# Altium PCB pcb_AGV_Control.PcbDoc (part 1 of 2) (continued)
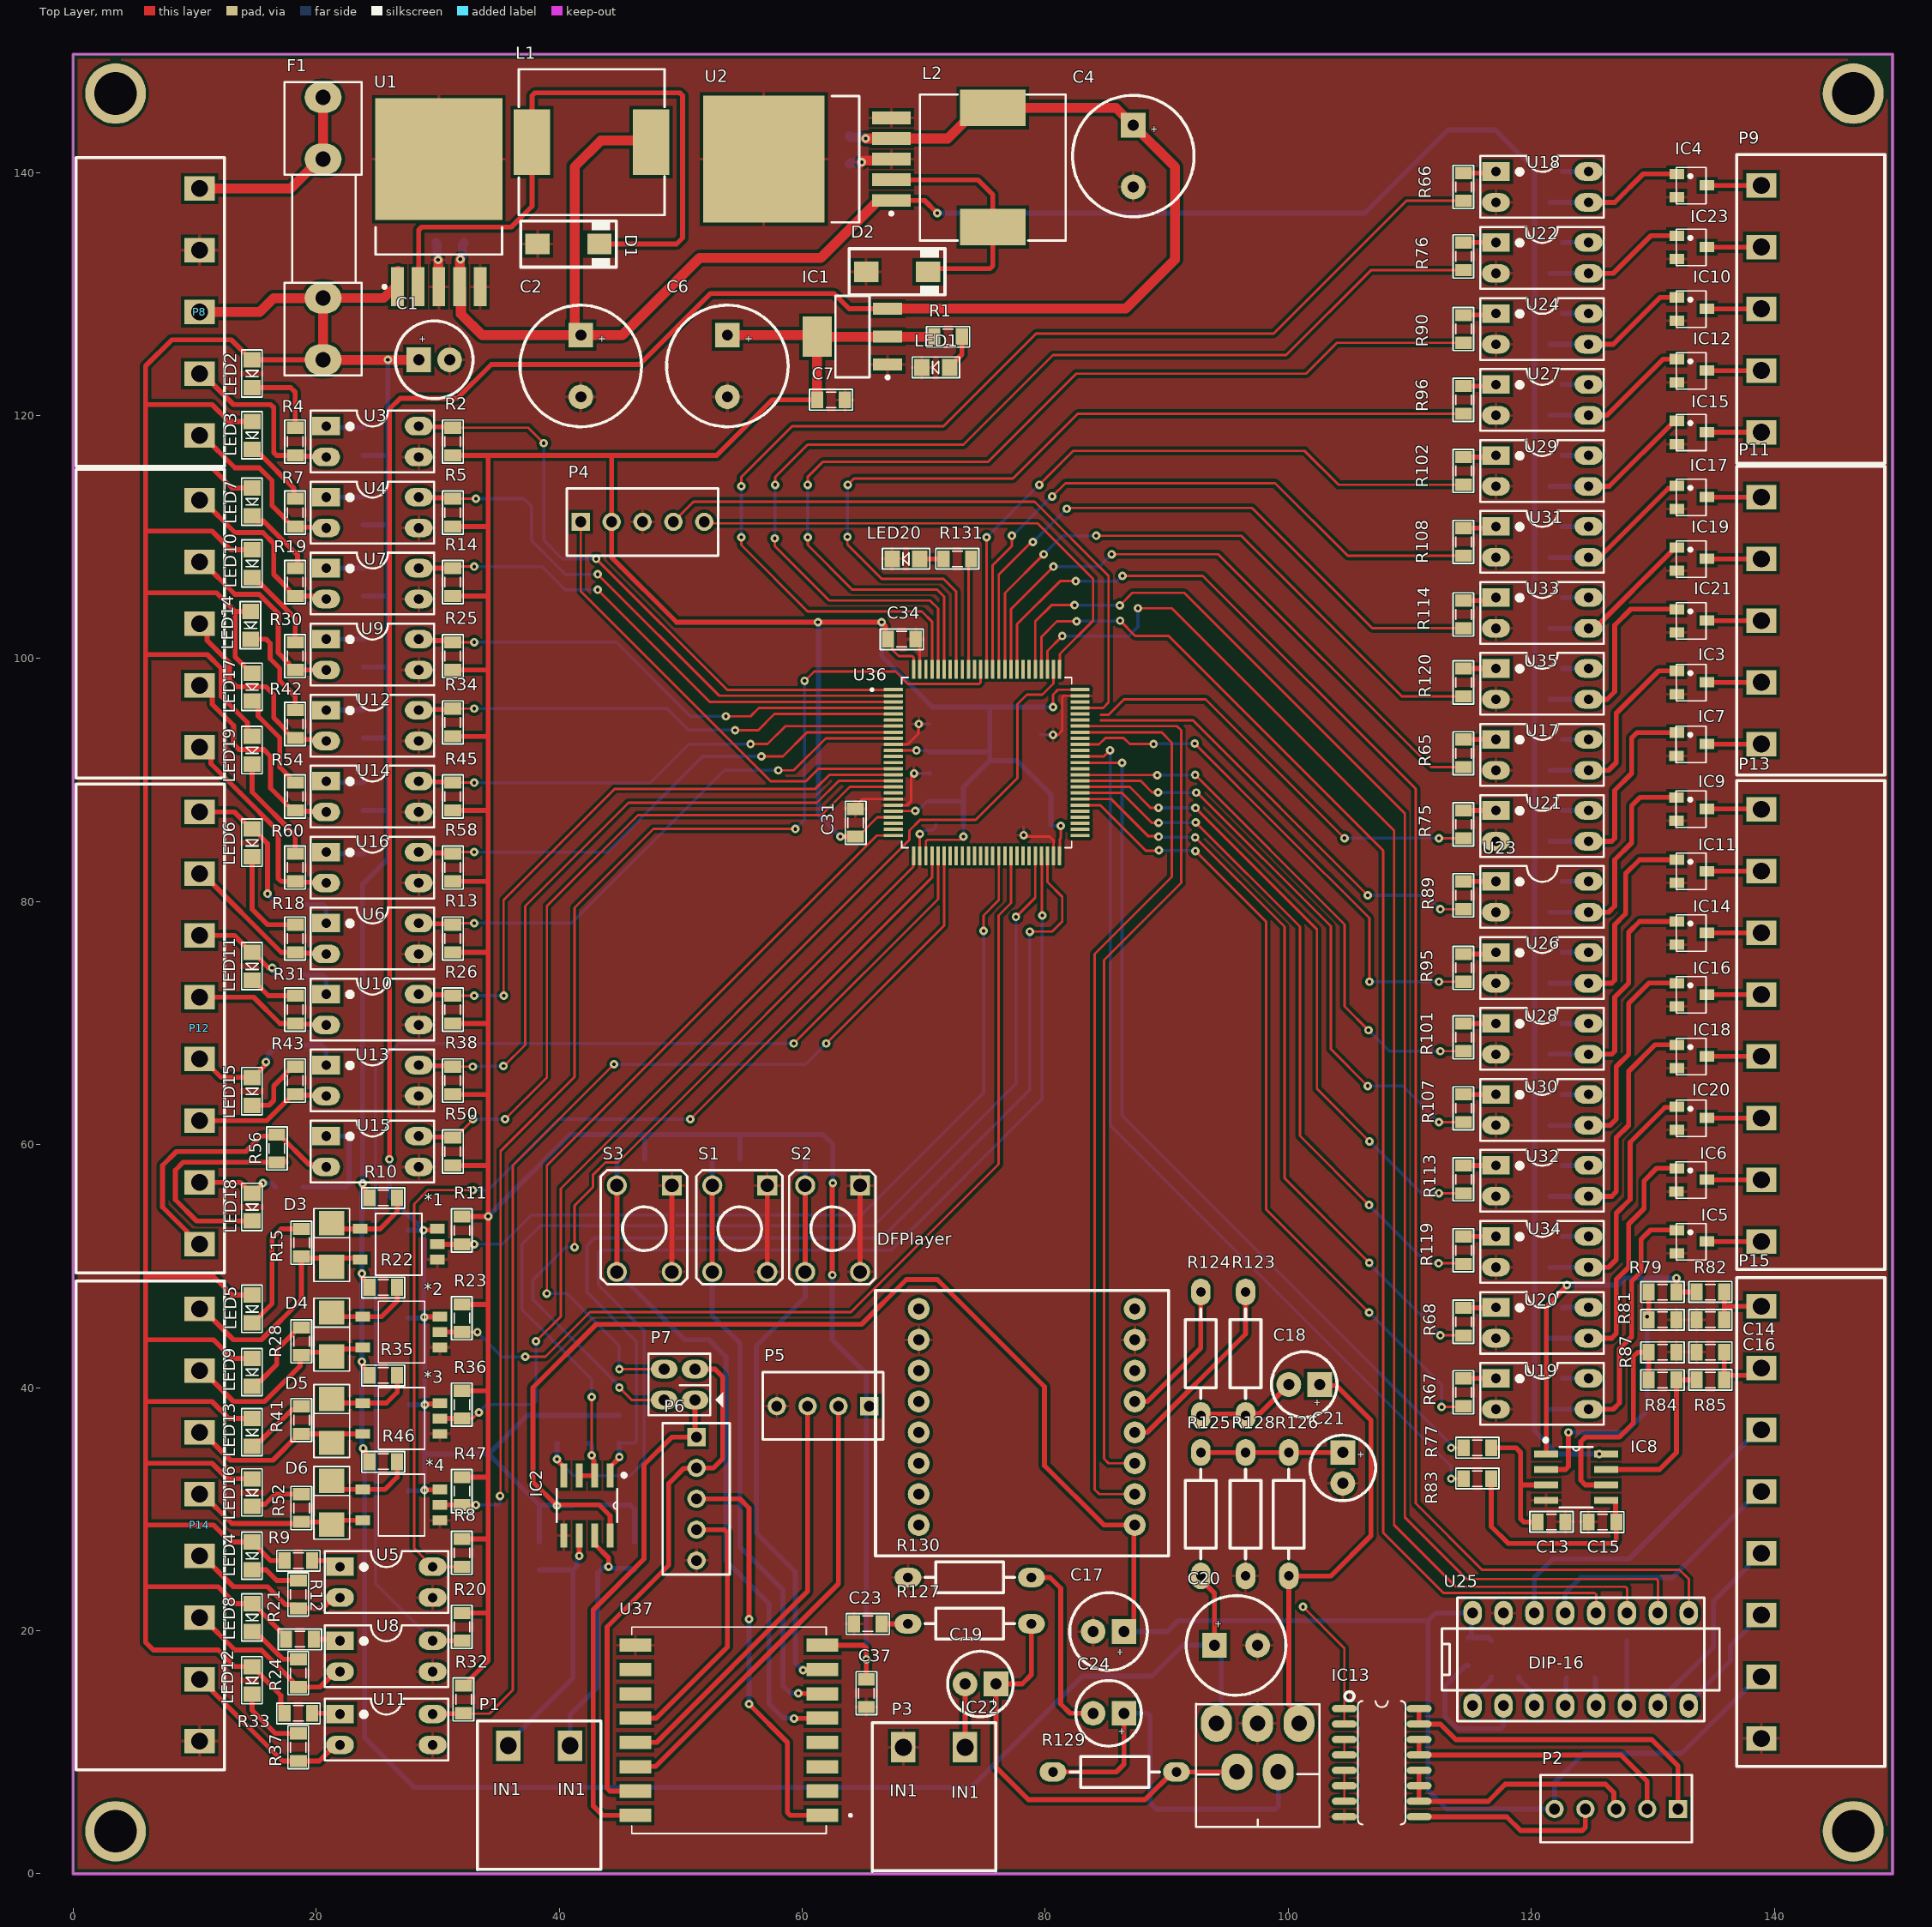
[diagram p0: Top Layer view]
## Components (designator, comment, footprint, x,y, rotation, side; value= is the part's Value field where it differs from the comment) (continued)
U6 "PC817" DIP4/W0.3 20.828,78.232 r270 top
U7 "PC817" DIP4/W0.3 20.828,107.442 r270 top
U8 "PC817" DIP4/W0.3 21.971,19.177 r270 top
U9 "PC817" DIP4/W0.3 20.828,101.6 r270 top
U10 "PC817" DIP4/W0.3 20.828,72.39 r270 top
U11 "PC817" DIP4/W0.3 21.971,13.144 r270 top
U12 "PC817" DIP4/W0.3 20.828,95.758 r270 top
U13 "PC817" DIP4/W0.3 20.828,66.548 r270 top
U14 "PC817" DIP4/W0.3 20.828,89.916 r270 top
U15 "PC817" DIP4/W0.3 20.828,60.706 r270 top
U16 "PC817" DIP4/W0.3 20.828,84.074 r270 top
U17 "PC817" DIP4/W0.3 117.094,93.345 r270 top
U18 "PC817" DIP4/W0.3 117.094,140.081 r270 top
U19 "PC817" DIP4/W0.3 117.094,40.767 r270 top
U20 "PC817" DIP4/W0.3 117.094,46.609 r270 top
U21 "PC817" DIP4/W0.3 117.094,87.503 r270 top
U22 "PC817" DIP4/W0.3 117.094,134.239 r270 top
U23 "PC817" DIP4/W0.3 117.094,81.661 r270 top
U24 "PC817" DIP4/W0.3 117.094,128.397 r270 top
U25 "MAX232ACPE" DIP.100/16/W.300/L.900 124.079,17.653 r0 top
U26 "PC817" DIP4/W0.3 117.094,75.819 r270 top
U27 "PC817" DIP4/W0.3 117.094,122.555 r270 top
U28 "PC817" DIP4/W0.3 117.094,69.977 r270 top
U29 "PC817" DIP4/W0.3 117.094,116.713 r270 top
U30 "PC817" DIP4/W0.3 117.094,64.135 r270 top
U31 "PC817" DIP4/W0.3 117.094,110.871 r270 top
U32 "PC817" DIP4/W0.3 117.094,58.293 r270 top
U33 "PC817" DIP4/W0.3 117.094,105.029 r270 top
U34 "PC817" DIP4/W0.3 117.094,52.451 r270 top
U35 "PC817" DIP4/W0.3 117.094,99.187 r270 top
U36 "STM32F103VET6" QFP50P1600X1600X160-100N 75.184,91.44 r0 top
U37 "ESP-07S" XCVR_ESP-07S 53.975,11.811 r180 top

## Footprints (in the part's own frame and the unit in brackets; to place one, negate y for a bottom-side part, rotate by r counter-clockwise, add the part's x,y. Pads: shape width x height; smd on the part's side, far side on the other; paste and mask are expansions set on the pad)
"BIG_Header 2" [mm]
  rect 2x2.5 hole 1.4: 1(0,0) 2(5.08,0)
  silkscreen extent -2.54,-2.03 7.62,10.21, body extent -2.5,-1.75 7.58,10.25, height 3.15
"BIG_Header 5" [mm]
  rect 2x2.5 hole 1.4: 1(0,0) 2(5.08,0) 3(10.16,0) 4(15.24,0) 5(20.32,0)
  silkscreen extent -2.54,-2.03 22.86,10.16, body extent -2.5,-1.75 22.82,10.25, height 3.15
"BIG_Header 8" [mm]
  rect 2x2.5 hole 1.4: 1(0,0) 2(5.08,0) 3(10.16,0) 4(15.24,0) 5(20.32,0) 6(25.4,0) 7(30.48,0) 8(35.56,0)
  silkscreen extent -2.36,-2.03 37.85,10.16, body extent -2.5,-1.75 38.06,10.25, height 3.15
"BUTTON 4 PIN" [mil] "BUTTON SMORE 280mil x 178mil"
  rect 65x65 hole 43.31: 1(-140,89)
  round 65 hole 43.31: 1(140,89) 2(-140,-89) 2(140,-89)
  silkscreen extent -190,-141 180,139, body extent -159,-124 153,120, height 276
CAP_0805 [mil]
  rect 39.37x55 smd: 1(-45,0) 2(45,0)
  silkscreen extent -70,-34 70,33, body extent -40,-25 40,25, height 24
CAP_D5 [mil]
  rect 80x80 hole 36: 1(0,0)
  round 80 hole 36: 2(100,0)
  silkscreen extent -56,-106 156,106, body extent -58,-108 158,108, height 541
CAP_D6.3 [mil]
  rect 80x80 hole 36: 1(0,0)
  round 80 hole 36: 2(100,0)
  silkscreen extent -76,-126 176,126, body extent -84,-134 184,134, height 492
CAP_D8 [mil]
  rect 80x80 hole 36: 1(0,0)
  round 80 hole 36: 2(140,0)
  silkscreen extent -91,-161 231,161, body extent -97,-167 237,167, height 512
CAP_D10 [mil]
  rect 80x80 hole 36: 1(0,0)
  round 80 hole 36: 2(200,0)
  silkscreen extent -97,-197 297,197, body extent -107,-207 307,207, height 551
DFPlayer [mm] "DFPlayer"
  round 1.8 hole 0.9: 1(-8.636,8.89) 2(-8.636,6.35) 3(-8.636,3.81) 4(-8.636,1.27) 5(-8.636,-1.27) 6(-8.636,-3.81) 7(-8.636,-6.35) 8(-8.636,-8.89) 9(9.144,-8.89) 10(9.144,-6.35) 11(9.144,-3.81) 12(9.144,-1.27) 13(9.144,1.27) 14(9.144,3.81) 15(9.144,6.35) 16(9.144,8.89)
  silkscreen extent -11.43,-10.41 12.7,11.43, body extent -10.15,-13.06 10.65,10.4, height 6
DIO-214AC(SMA) [mm] "DO-214AC Diode Smallest Size"
  rect 2x2.1 smd: 1(1.88,-0.051) 2(-1.732,-0.051)
  silkscreen extent -2.92,-1.52 3.07,1.42, body extent -2.5,-1.35 2.7,1.25, height 2.4
DIP4/W0.3 [mil] "4 PIN, W 300mil, Pin to pin 100mil"
  rect 60x90 hole 31: 1(0,0)
  oval 60x90 hole 31: 2(100,0) 3(100,300) 4(0,300)
  silkscreen extent -50,-50 150,350, body extent -59,-10 159,305, height 170
DIP5SL1 [mm]
  oval 2.54x3.048 hole 1.27: 1(-3.4,-2) 2(-1.7,2) 3(0,-2) 4(1.7,2) 5(3.4,-2)
  silkscreen extent -5.08,-3.61 5.08,6.53, body extent -20.77,-2.29 21.03,25.41, height 35.78
DIP.100/16/W.300/L.900 [mm] "MAX232"
  oval 1.5x2 hole 0.864: 1(-8.897,-3.812) 2(-6.357,-3.812) 3(-3.817,-3.812) 4(-1.277,-3.812) 5(1.263,-3.812) 6(3.803,-3.812) 7(6.343,-3.812) 8(8.883,-3.812) 9(8.883,3.808) 10(6.343,3.808) 11(3.803,3.808) 12(1.263,3.808) 13(-1.277,3.808) 14(-3.817,3.808) 15(-6.357,3.808) 16(-8.897,3.808)
  silkscreen extent -11.44,-5.08 11.42,5.08, body extent -10,-3.93 10,3.94, height 2.49
FUSE [mil] "De Fuse"
  oval 100x120 hole 50: 1(-425,0) 1(-225,0) 2(225,0) 2(425,0)
  silkscreen extent -475,-125 475,125, body extent -448,-117 459,127, height 378
HDR4 [mm] "Connector; Header; 4 Position"
  rect 1.5x1.5 hole 0.9: 1(0,0)
  round 1.5 hole 0.9: 2(2.54,0) 3(5.08,0) 4(7.62,0)
  silkscreen extent -1.14,-2.79 8.76,2.74, body extent -1.27,-2.92 8.89,2.88, height 11.72
HDR5 [mm] "Connector; Header; 5 Position"
  rect 1.5x1.5 hole 0.9: 1(0,0)
  round 1.5 hole 0.9: 2(2.54,0) 3(5.08,0) 4(7.62,0) 5(10.16,0)
  silkscreen extent -1.14,-2.79 11.3,2.74, body extent -1.27,-2.92 11.43,2.88, height 11.72
JP2X2 [mil]
  oval 60x86 hole 36: 1(0,0) 2(100,0) 3(100,100) 4(0,100)
  silkscreen extent -50,-91 150,150, body extent -50,-50 150,150, height 335
L-SMD-M-12x10 [mm] "150uH"
  rect 5.4x3 smd: 1(0,4.9) 2(0,-4.9)
  silkscreen extent -6,-6 6,6, body extent -6,-6 6,6, height 9.7
LED_BLUE_SMD_0805 [mil]
  rect 50x55 smd: 1(-45,0) 2(45,0)
  silkscreen extent -77,-34 76,33, body extent -41,-27 41,27, height 32
QFP50P1600X1600X160-100N [mm]
  rrect25% 1.56x0.28 smd: 1(-7.68,6) 2(-7.68,5.5) 3(-7.68,5) 4(-7.68,4.5) 5(-7.68,4) 6(-7.68,3.5) 7(-7.68,3) 8(-7.68,2.5) 9(-7.68,2) 10(-7.68,1.5) 11(-7.68,1) 12(-7.68,0.5) 13(-7.68,0) 14(-7.68,-0.5) 15(-7.68,-1) 16(-7.68,-1.5) 17(-7.68,-2) 18(-7.68,-2.5) 19(-7.68,-3) 20(-7.68,-3.5) 21(-7.68,-4) 22(-7.68,-4.5) 23(-7.68,-5) 24(-7.68,-5.5) 25(-7.68,-6) 51(7.68,-6) 52(7.68,-5.5) 53(7.68,-5) 54(7.68,-4.5) 55(7.68,-4) 56(7.68,-3.5) 57(7.68,-3) 58(7.68,-2.5) 59(7.68,-2) 60(7.68,-1.5) 61(7.68,-1) 62(7.68,-0.5) 63(7.68,0) 64(7.68,0.5) 65(7.68,1) 66(7.68,1.5) 67(7.68,2) 68(7.68,2.5) 69(7.68,3) 70(7.68,3.5) 71(7.68,4) 72(7.68,4.5) 73(7.68,5) 74(7.68,5.5) 75(7.68,6)
  rrect25% 0.28x1.56 smd: 26(-6,-7.68) 27(-5.5,-7.68) 28(-5,-7.68) 29(-4.5,-7.68) 30(-4,-7.68) 31(-3.5,-7.68) 32(-3,-7.68) 33(-2.5,-7.68) 34(-2,-7.68) 35(-1.5,-7.68) 36(-1,-7.68) 37(-0.5,-7.68) 38(0,-7.68) 39(0.5,-7.68) 40(1,-7.68) 41(1.5,-7.68) 42(2,-7.68) 43(2.5,-7.68) 44(3,-7.68) 45(3.5,-7.68) 46(4,-7.68) 47(4.5,-7.68) 48(5,-7.68) 49(5.5,-7.68) 50(6,-7.68) 76(6,7.68) 77(5.5,7.68) 78(5,7.68) 79(4.5,7.68) 80(4,7.68) 81(3.5,7.68) 82(3,7.68) 83(2.5,7.68) 84(2,7.68) 85(1.5,7.68) 86(1,7.68) 87(0.5,7.68) 88(0,7.68) 89(-0.5,7.68) 90(-1,7.68) 91(-1.5,7.68) 92(-2,7.68) 93(-2.5,7.68) 94(-3,7.68) 95(-3.5,7.68) 96(-4,7.68) 97(-4.5,7.68) 98(-5,7.68) 99(-5.5,7.68) 100(-6,7.68)
  silkscreen extent -9.54,-7 7,7, body extent -8,-8 8,8, height 1.6
"RES_1/4 W" [mm]
  oval 2.2x1.6 hole 0.787: 1(0,0) 2(10.16,0)
  silkscreen extent 1.4,-1.27 8.76,1.27, body extent -0.3,-1.2 10.46,1.2, height 2.49
RES_SMD_0805 [mil]
  rect 39.37x55 smd: 1(-45,0) 2(45,0)
  silkscreen extent -70,-34 70,33, body extent -39,-25 39,25, height 31
SMA [mm]
  rect 2x1.7 smd: 1(-2.544,0) 2(2.544,0)
  silkscreen extent -3.94,-1.9 3.94,1.91, body extent -2.87,-1.4 2.87,1.4, height 2.29
SOIC16 [mm] "ULN2003"
  oval 2.05x0.6 smd: 1(-3.075,4.445) 2(-3.075,3.175) 3(-3.075,1.905) 4(-3.075,0.635) 5(-3.075,-0.635) 6(-3.075,-1.905) 7(-3.075,-3.175) 8(-3.075,-4.445) 9(3.075,-4.445) 10(3.075,-3.175) 11(3.075,-1.905) 12(3.075,-0.635) 13(3.075,0.635) 14(3.075,1.905) 15(3.075,3.175) 16(3.075,4.445)
  silkscreen extent -3.03,-5.08 1.96,5.85, body extent -3,-5 3,5, height 1.75
SOP5 [mm] "TLP115"
  rect 0.8x1.2 smd: 1(-1.27,-2.54) 3(1.27,-2.54) 4(1.27,3.81) 5(0,3.81) 6(-1.27,3.81)
  silkscreen extent -2.54,-1.27 2.54,2.54, body extent -1.9,-2.88 1.9,4.15, height 2.2
SOP8-PP [mil] "MAX485"
  rect 78x22 smd: 1(-96.99,75.01) 2(-96.99,25.01) 3(-96.99,-24.99) 4(-96.99,-74.99) 5(97.01,-74.99) 6(97.01,-24.99) 7(97.01,25.01) 8(97.01,75.01)
  silkscreen extent -100,-98 54,121, body extent -119,-99 119,99, height 63
SOT23A [mm] "mosfet"
  rect 0.85x1.2 smd: 1(-0.94,-1.245) 2(0.005,1.25) 3(0.985,-1.25)
  silkscreen extent -1.47,-1.3 1.52,1.17, body extent -1.5,-1.3 1.5,1.2, height 1.06
SOT223-4N [mm] "LM1117"
  rect 2.4x1 smd: 1(-2.9,2.3) 2(-2.9,0) 3(-2.9,-2.3)
  rect 2.4x3.3 smd: 4(2.9,0)
  silkscreen extent -3.03,-3.35 1.4,3.47, body extent -3.39,-3.27 3.5,3.23, height 1.72
TO-263 [mm] "LM2576"
  rect 3.2x1.05 smd: 1(-6,3.4) 2(-6,1.7) 3(-6,0) 4(-6,-1.7) 5(-6,-3.4)
  rect 10x10.45 smd: 3(4.5,0)
  silkscreen extent -6.12,-5.2 -1.1,5.2, body extent -6.58,-5.2 7.57,5.2, height 4.65
XCVR_ESP-07S [mm]
  rect 2.6x1.1 smd: 1(-7.7,7) 2(-7.7,5) 3(-7.7,3) 4(-7.7,1) 5(-7.7,-1) 6(-7.7,-3) 7(-7.7,-5) 8(-7.7,-7) 9(7.7,-7) 10(7.7,-5) 11(7.7,-3) 12(7.7,-1) 13(7.7,1) 14(7.7,3) 15(7.7,5) 16(7.7,7)
  silkscreen extent -10.1,-8.5 8,8.5, body extent -8,-8.5 8,8.5, height 3

## Part data
*1 *2 *3 *4: "Photocouple"
C1 C2 C4 C6 C17 C18 C19 C20 C21 C24: library part CapPol, "Polarized Capacitor (Axial)", LatestRevisionDate=17-Jul-2002, LatestRevisionNote="Re-released for DXP Platform.", PackageReference=POLAR0.8, Published=8-Jun-2000, Publisher="Altium Limited"
C3 C5 C7 C8 C9 C10 C11 C12 C13 C14 C15 C16 C22 C23 C25 C26 C27 C28 C29 C30 C31 C32 C33 C34 C35 C36 C37 C38 C39: library part CapSMD, "Capacitor", LatestRevisionDate=17-Jul-2002, LatestRevisionNote="Re-released for DXP Platform.", PackageReference=RAD-0.3, Published=8-Jun-2000, Publisher="Altium Limited"
D1 D2: library part 1N5822, "Schottky Rectifiers"
D3 D4 D5 D6: "Default Diode", Code - JEDEC=DO-214-AB, Published=8-Jun-2000, Publisher="Altium Limited", Revision="July-2002: Re-released for DXP Platform."
F1: library part Fuse, "Fuse", Designed by=VanDungEvn
IC1: "3v3"
IC2: "RS232 - RS485 (Same sn75176)"
IC3 IC4 IC5 IC6 IC7 IC9 IC10 IC11 IC12 IC14 IC15 IC16 IC17 IC18 IC19 IC20 IC21 IC23: library part MOSFET_N, "Generic N Channel MOSFET"
IC8: "Low-Power Dual Operational Amplifier"
IC13: "High-Voltage, High-Current Darlington Array", LatestRevisionNote="Stylized 3D Model Added.", Publisher="Altium Limited"
IC22: "14W Hi-Fi AUDIO AMPLIFIER"
L1 L2: library part Inductor, "Inductor"
LED1 LED2 LED3 LED4 LED5 LED6 LED7 LED8 LED9 LED10 LED11 LED12 LED13 LED14 LED15 LED16 LED17 LED18 LED19 LED20: "LED Single colour Green and Red"
P1 P3 P12 P13 P14 P15: "Terminal 5.08", LatestRevisionDate=17-Jul-2002, LatestRevisionNote="Re-released for DXP Platform.", Publisher="Altium Limited"
P2 P4 P6: "Header, 5-Pin", LatestRevisionDate=17-Jul-2002, LatestRevisionNote="Re-released for DXP Platform.", Publisher="Altium Limited"
P5: "Header, 4-Pin", LatestRevisionDate=17-Jul-2002, LatestRevisionNote="Re-released for DXP Platform.", Publisher="Altium Limited"
P7: "Header, 2-Pin, Dual row", LatestRevisionDate=17-Jul-2002, LatestRevisionNote="Re-released for DXP Platform.", Publisher="Altium Limited"
P8 P9 P10 P11: "Terminal 5.08m", LatestRevisionDate=17-Jul-2002, LatestRevisionNote="Re-released for DXP Platform.", Publisher="Altium Limited"
R1 R2 R3 R4 R5 R6 R7 R8 R9 R10 R11 R12 R13 R14 R15 R16 R17 R18 R19 R20 R21 R22 R23 R24 R25 R26 R27 R28 R29 R30 R31 R32 R33 R34 R35 R36 R37 R38 R39 R40 R41 R42 R43 R44 R45 R46 R47 R48 R49 R50 R51 R52 R53 R54 R55 R56 R57 R58 R59 R60 R61 R62 R63 R64 R65 R66 R67 R68 R69 R70 R71 R72 R73 R74 R75 R76 R77 R78 R79 R80 R81 R82 R83 R84 R85 R86 R87 R88 R89 R90 R91 R92 R93 R94 R95 R96 R97 R98 R99 R100 R101 R102 R103 R104 R105 R106 R107 R108 R109 R110 R111 R112 R113 R114 R115 R116 R117 R118 R119 R120 R121 R122 R123 R124 R125 R126 R127 R128 R129 R130 R131 R132 R133 R134 R135: library part Res, "Resistor", Manufacturer="Generic Components", Class=Passive, Published=08/06/2000, Publisher="Altium Hobart Technology Centre"
S1 S2 S3: "Switch", LatestRevisionDate=17-Jul-2002, LatestRevisionNote="Re-released for DXP Platform.", PackageReference=SPST-2, Published=24-Mar-1999, Publisher="Altium Limited"
U1 U2: "SIMPLE SWITCHER; 3A Step-Down Voltage Regulator", DigiKeyPartNumber=LM2576T-5.0-ND, Manufacturer="National Semiconductor", PackageTopMarking="NSUZXYTT*LM2576T*-5.0 P+", PowerWise=N, Code_JEDEC=TO-220-AB, ComponentLink1Description="LM2576 Datasheet", ComponentLink1URL=http://www.national.com/ds/LM/LM2576.pdf, ComponentLink2Description="LM2576 Web Page", ComponentLink2URL=http://www.national.com/pf/LM/LM2576.html, ComponentLink3Description="T05A Package Page", ComponentLink3URL=http://www.national.com/packaging/folders/t05a.html, CompType=Switcher, DatasheetVersion=Aug-2004, FirstPublished=4-Dec-2008, PackageDescription="TO-220, Molded, 5 Lead, Straight", PackageReference=T05A, PackageVersion="revJ, Jan-1992", PartNumber=LM2576T-5.0, PinCount=5, Publisher="Altium Limited", RoHS=O
U3 U4 U5 U6 U7 U8 U9 U10 U11 U12 U13 U14 U15 U16 U17 U18 U19 U20 U21 U22 U23 U24 U26 U27 U28 U29 U30 U31 U32 U33 U34 U35: "Single Opto"
U25: "+5V Powered, Multi-Channel RS-232 Driver/Receiver", Code_JEDEC=MS-001-BB, ComponentLink1Description="Manufacturer Link", ComponentLink1URL=http://www.maxim-ic.com/, ComponentLink2Description=Datasheet, ComponentLink2URL=http://pdfserv.maxim-ic.com/en/ds/MAX220-MAX249.pdf, LatestRevisionDate=06-Jun-2005, LatestRevisionNote="Stylized 3D Model Added.", PackageDescription="DIP; 16 Leads; Row Spacing 7.62 mm; Pitch 2.54 mm", PackageReference=PE16A, PackageVersion=1997, Published=16-Jan-2001, Publisher="Altium Limited"
U36: "ARMÂ® CortexÂ®-M3 STM32F1 Microcontroller IC 32-Bit 72MHz 512KB (512K x 8) FLASH 100-LQFP (14x14)", Package="LQFP-100 STMicroelectronics", Check_prices=https://www.snapeda.com/parts/STM32F103VET6/STMicroelectronics/view-part/?ref=eda, MF=STMicroelectronics, MP=STM32F103VET6, SnapEDA_Link=https://www.snapeda.com/parts/STM32F103VET6/STMicroelectronics/view-part/?ref=snap
U37: "WiFi 802.11b/g/n Transceiver Module 2.4GHz ~ 2.5GHz PCB Trace Surface Mount", Package="NON-STANDARD-16 RF SOLUTIONS", Check_prices=https://www.snapeda.com/parts/ESP-07S/RF+Solutions/view-part/?ref=eda, MF="RF Solutions", MP=ESP-07S, SnapEDA_Link=https://www.snapeda.com/parts/ESP-07S/RF+Solutions/view-part/?ref=snap

## Free pads (board coordinates)
  round 5 hole 3.5: 6(3.5,3.5) 6(3.5,146.5) 6(146.5,3.5) 6(146.5,146.5)

## Via types
v1: diameter 0.7, hole 0.3, Top Layer to Bottom Layer, 160 vias

## Nets (pads, with @x,y where several pads share a name; then routed paths per layer and width w, separated by ;. In a path a pad name is that pad's centre, name@x,y a point inside that pad or via, vN(x,y) a via of type N, cw(c..) or ccw(c..) an arc to the next point about the centre after c; other vN are vias at no path point)
+3.3: C6.1 C7.2 C25.1 C31.1 C32.1 C33.1 C34.1 C35.1 C36.1 C37.2 C38.2 IC1.2 IC1.4 P4.2 P5.1 R1.1 R2.1 R5.1 R8.1 R11.1 R13.1 R14.1 R20.1 R23.1 R25.1 R26.1 R32.1 R34.1 R36.1 R38.1 R45.1 R47.1 R50.1 R58.1 R132.1 R133.1 R134.1 U36.11 U36.21 U36.22 U36.28 U36.50 U36.75 U36.100 U37.8 | length 412.4
  Top Layer w0.203: C31.1@64.389,85.344 64.587,85.344 66.184,86.94 U36.22@67.504,86.94 ; C34.1@67.056,101.6 67.414,101.242 67.414,100.734 67.945,100.203 69.065,100.203 69.184,100.084 U36.100@69.184,99.12 ; U36.21@67.504,87.44 67.52,87.456 69.295,87.456 v1(69.31,87.471) ; U36.11@67.504,92.44 69.403,92.44 v1(69.411,92.433) ; U36.28@70.184,83.76 70.184,84.971 70.303,85.09 73.025,85.09 v1(73.279,85.344) ; v1(80.645,96.012) 80.645,97.028 81.057,97.44 U36.75@82.864,97.44 ; U36.50@81.184,83.76 81.222,83.798 81.222,85.159 81.28,85.217 v1(81.28,86.233)
  Top Layer w0.406: R50.1@31.242,58.293 34.163,58.293 ; R38.1@31.242,64.135 34.163,64.135 ; R26.1@31.242,69.977 34.163,69.977 ; R13.1@31.242,75.819 34.036,75.819 34.163,75.692 ; R58.1@31.242,81.661 34.036,81.661 34.163,81.534 ; R45.1@31.242,87.503 34.163,87.503 ; R34.1@31.242,93.599 34.163,93.599 ; R25.1@31.242,99.06 34.163,99.06 ; R14.1@31.242,105.156 34.163,105.156 ; R5.1@31.242,110.871 34.1,110.871 34.163,110.935 ; R2.1@31.242,116.713 34.163,116.713 ; R20.1@32.004,21.463 34.163,21.463 ; R8.1@32.004,27.559 34.163,27.559 ; R47.1@32.004,32.639 34.163,32.639 ; R36.1@32.004,39.751 34.163,39.751 ; R23.1@32.004,46.863 34.163,46.863 ; R11.1@32.004,54.089 34.15,54.089 v1(34.163,54.102) ; R32.1@32.131,15.494 32.329,15.494 32.626,15.791 32.626,15.989 34.163,17.526 34.163,21.463 ; C7.2@61.235,121.285 57.531,121.285 52.959,116.713 44.323,116.713 ; U37.8@61.675,18.811 65.04,18.811 65.278,18.573 v1(65.278,17.653) C37.2@65.278,16.002 ; v1(62.484,49.276) 62.484,56.769 62.528,56.813 v1(62.528,56.841) ; v1(63.146,85.344) C31.1@64.389,85.344 ; C34.1@67.056,101.6 66.863,101.793 66.863,102.655 66.542,102.976 v1(66.542,103.003) v1(61.301,103.003) 61.295,102.997 49.657,102.997 44.323,108.331 P4.2@44.323,111.252 44.323,116.713 ; 34.163,21.463 34.163,27.559 ; 34.163,27.559 34.163,32.639 ; 34.163,32.639 34.163,39.751 ; 34.163,39.751 34.163,46.863 ; 34.163,46.863 v1(34.163,54.102) ; v1(34.163,54.102) 34.163,58.293 ; 34.163,58.293 34.163,64.135 ; 34.163,64.135 34.163,69.977 ; 34.163,69.977 34.163,75.692 ; 34.163,75.692 34.163,81.534 ; 34.163,81.534 34.163,87.503 ; 34.163,87.503 34.163,93.599 ; 34.163,93.599 34.163,99.06 ; 34.163,99.06 34.163,105.156 ; 34.163,105.156 34.163,110.935 ; 34.163,110.935 34.163,116.713 ; 34.163,116.713 44.323,116.713
  Top Layer w0.813: C6.1@53.848,126.619 61.108,126.619 IC1.4@61.235,126.492 ; C7.2@61.235,121.285 IC1.4@61.235,126.492 ; R1.1@70.866,126.492 IC1.2@67.035,126.492 IC1.4@61.235,126.492
  Bottom Layer w0.254: v1(69.31,87.471) 69.359,87.52 69.542,87.52 70.287,88.265 C35.1@70.485,88.265 ; v1(69.411,92.433) 70.381,92.433 C36.1@70.485,92.329 ; v1(73.279,85.344) C33.1@73.279,86.36 ; C32.1@79.629,96.012 v1(80.645,96.012) ; C25.1@80.47,86.36 80.597,86.233 v1(81.28,86.233)
  Bottom Layer w0.406: v1(34.163,54.102) 40.894,60.833 47.041,60.833 ; R134.1@47.041,58.801 47.041,60.833 ; R132.1@54.889,58.801 54.889,60.731 54.991,60.833 ; v1(61.301,103.003) 61.321,102.984 61.321,102.912 61.341,102.892 61.341,87.149 v1(63.146,85.344) ; v1(62.484,49.276) 62.484,43.942 65.278,41.148 65.278,38.735 P5.1@65.532,38.481 65.278,38.227 v1(65.278,17.653) C38.2@65.278,16.002 ; v1(62.528,56.841) 62.532,56.844 62.532,58.798 R133.1@62.535,58.801 62.535,60.02 61.722,60.833 54.991,60.833 ; v1(66.542,103.003) 66.542,100.209 70.739,96.012 75.438,96.012 ; C35.1@70.485,88.265 73.152,88.265 73.279,88.138 ; C36.1@70.485,92.329 75.438,92.329 ; C33.1@73.279,86.36 73.279,88.138 ; C32.1@80.01,96.012 75.438,96.012 ; C25.1@80.47,86.36 80.47,88.821 77.701,91.59 75.438,91.59 ; 47.041,60.833 54.991,60.833 ; 73.279,88.138 73.279,89.432 75.438,91.59 ; 75.438,91.59 75.438,92.329 ; 75.438,92.329 75.438,96.012
+5: *1.6 *2.6 *3.6 *4.6 C4.1 C5.2 C8.2 C9.2 C10.2 C11.2 C17.1 C26.1 C28.2 C39.2 DFPlayer.1 IC1.3 IC2.8 L2.2 P2.5 P15.7 R48.1 R53.2 R57.2 R135.1 U2.4 U25.16 | length 410.8
  Top Layer w0.406: v1(26.035,58.801) 26.035,120.523 26.924,121.412 31.623,121.412 34.417,124.206 46.609,124.206 52.451,130.048 62.611,130.048 63.867,128.792 IC1.3@67.035,128.792 ; v1(28.829,52.959) 28.848,52.978 29.877,52.978 *1.6@29.972,53.073 ; v1(28.903,45.81) 28.921,45.829 30.182,45.829 *2.6@30.201,45.847 ; v1(28.91,31.566) 28.939,31.594 30.172,31.594 *4.6@30.201,31.623 ; v1(28.956,38.608) 29.019,38.671 30.137,38.671 *3.6@30.201,38.735 ; IC2.8@44.196,27.838 44.196,29.464 43.307,30.353 39.878,30.353 v1(39.814,30.29) 37.846,32.258 37.846,40.005 43.053,45.212 64.897,45.212 68.58,48.895 71.12,48.895 79.94,40.075 79.94,33.598 84.836,28.702 DFPlayer.1@87.376,28.702 87.3,28.626 87.3,20.752 C17.1@86.487,19.939
  Top Layer w0.813: v1(65.229,142.797) U2.4@67.341,142.797 71.98,142.797 74.492,145.309 L2.2@75.692,145.309 85.831,145.309 C4.1@87.249,143.891 90.678,140.462 90.678,132.842 86.628,128.792 IC1.3@67.035,128.792
  Bottom Layer w0.406: v1(26.035,58.801) 26.035,55.753 v1(28.829,52.959) ; C11.2@27.559,31.496 27.594,31.531 28.876,31.531 v1(28.91,31.566) 28.933,31.588 28.933,34.544 ; C9.2@27.559,45.72 28.785,45.72 28.875,45.81 v1(28.903,45.81) ; C8.2@27.559,52.959 v1(28.829,52.959) ; C10.2@27.686,38.608 v1(28.956,38.608) ; R57.2@38.379,27.305 38.379,30.353 ; C39.2@41.148,30.353 41.085,30.29 v1(39.814,30.29) 39.751,30.353 38.379,30.353 ; R48.1@44.933,37.719 R135.1@39.853,37.719 37.363,37.719 34.188,34.544 ; C17.1@86.487,19.939 90.043,19.939 90.932,20.828 111.506,20.828 ; C26.1@114.808,19.431 C26.1@114.885,19.431 ; C28.2@116.713,19.177 116.459,19.431 115.062,19.431 C26.1@114.885,19.431 ; P15.7@138.938,16.216 138.688,16.216 132.378,9.906 124.333,9.906 121.92,7.493 P2.5@121.92,5.334 113.03,5.334 111.506,6.858 111.506,20.828 ; v1(28.829,52.959) 28.866,52.922 28.866,45.847 v1(28.903,45.81) ; v1(28.903,45.81) 28.929,45.784 28.929,38.635 v1(28.956,38.608) ; 28.933,34.544 28.933,38.585 v1(28.956,38.608) ; 28.933,34.544 34.188,34.544 ; 34.188,34.544 38.379,30.353 ; 111.506,20.828 112.139,21.461 U25.16@115.182,21.461 115.062,21.342 115.062,19.608 C26.1@114.885,19.431
  Bottom Layer w0.762: C5.2@63.881,143.002 63.989,142.894 65.132,142.894 v1(65.229,142.797)
+12: C2.1 C3.2 C12.1 IC8.8 L1.2 R61.1 R62.1 R63.1 R64.1 R73.1 R74.1 R86.1 R88.1 R93.1 R94.1 R99.1 R100.1 R105.1 R106.1 R111.1 R112.1 R117.1 R118.1 U1.4 U2.1 | length 236.1
  Top Layer w0.406: U2.1@67.341,137.697 70.075,137.697 v1(71.12,136.652) ; v1(125.603,34.544) IC8.8@126.162,34.544
  Top Layer w0.813: v1(31.869,132.86) 31.834,132.825 31.834,130.632 U1.4@31.799,130.597 31.918,130.478 31.918,128.356 33.655,126.619 C2.1@41.783,126.619 ; L1.2@47.572,142.494 47.445,142.621 43.434,142.621 41.275,140.462 41.275,127.127 C2.1@41.783,126.619 ; U2.1@67.341,137.697 66.266,137.697 61.538,132.969 51.562,132.969 45.212,126.619 C2.1@41.783,126.619
  Bottom Layer w0.406: v1(71.12,136.652) 106.299,136.652 113.157,143.51 117.039,143.51 120.269,140.279 R62.1@120.269,140.081 R74.1@120.269,134.239 R88.1@120.269,128.397 R94.1@120.269,122.555 R100.1@120.269,116.713 R106.1@120.269,110.871 R112.1@120.269,105.029 R118.1@120.269,99.187 R61.1@120.269,93.345 R73.1@120.269,87.503 R86.1@120.269,81.661 R93.1@120.269,75.819 R99.1@120.269,69.977 R105.1@120.269,64.135 R111.1@120.269,58.293 R117.1@120.269,52.451 R64.1@120.269,46.569 R63.1@120.269,40.767 120.269,36.449 122.174,34.544 C12.1@123.698,34.544 v1(125.603,34.544)
  Bottom Layer w0.762: v1(31.869,132.86) 31.869,132.998 32.038,133.167 32.038,134.098 C3.2@32.157,134.217
+24: C1.1 C20.1 C22.2 F1.1 IC22.5 LED2.1 LED3.1 LED4.1 LED5.1 LED7.1 LED8.1 LED9.1 LED10.1 LED12.1 LED13.1 LED14.1 LED16.1 LED17.1 LED19.1 P8.3 R3.1 R6.1 R9.1 R10.1 R17.1 R21.1 R22.1 R27.1 R33.1 R35.1 R39.1 R46.1 R49.1 R59.1 R125.2 U1.1 | length 508.8
  Top Layer w0.406: LED16.1@14.732,32.512 12.7,32.512 11.43,33.782 5.969,33.782 ; LED13.1@14.732,37.465 12.827,37.465 11.43,38.862 5.969,38.862 ; LED9.1@14.732,42.418 13.081,42.418 11.557,43.942 5.969,43.942 ; LED5.1@14.732,47.625 13.081,47.625 11.557,49.149 5.969,49.149 ; LED19.1@14.732,93.599 14.351,93.98 14.351,94.742 12.197,96.896 12.197,99.182 11.049,100.33 5.969,100.33 ; LED17.1@14.732,98.806 14.668,98.806 13.335,100.139 13.335,103.886 ; LED14.1@14.732,103.886 13.335,103.886 ; LED10.1@14.732,108.966 12.954,108.966 11.43,110.49 5.969,110.49 ; LED7.1@14.732,114.046 13.081,114.046 11.43,115.697 5.969,115.697 ; LED3.1@14.732,119.507 12.827,119.507 11.43,120.904 5.969,120.904 ; R33.1@17.399,13.208 17.102,13.505 17.102,14.686 15.227,16.561 15.227,16.624 14.795,17.056 LED12.1@14.732,17.056 13.297,17.056 11.938,18.415 6.604,18.415 5.969,19.05 5.969,23.622 ; R9.1@17.399,25.781 16.256,25.781 15.227,26.81 15.227,26.873 14.795,27.305 12.954,27.305 11.557,28.702 5.969,28.702 ; R21.1@17.526,19.304 17.526,19.502 17.229,19.799 17.221,19.799 14.795,22.225 LED8.1@14.732,22.225 13.335,22.225 11.938,23.622 5.969,23.622 ; F1.1@20.574,124.587 LED2.1@14.732,124.587 14.668,124.587 13.018,126.238 8.128,126.238 5.969,124.079 5.969,120.904 ; v1(23.768,42.145) 23.788,42.125 23.788,41.816 24.384,41.219 R35.1@24.384,41.021 ; v1(23.768,49.384) 23.788,49.364 23.788,49.055 24.384,48.458 R22.1@24.384,48.26 ; v1(23.827,56.818) 23.846,56.799 23.846,56.527 24.087,56.286 24.087,55.923 R10.1@24.384,55.626 ; v1(23.876,35.011) 23.876,34.983 24.056,34.803 24.056,34.747 24.087,34.715 24.087,34.206 R46.1@24.384,33.909 ; R125.2@92.81,24.511 92.81,24.211 93.931,23.09 C20.1@93.931,18.796 ; 5.969,23.622 5.969,28.702 ; 5.969,28.702 5.969,33.782 ; 5.969,33.782 5.969,38.862 ; 5.969,38.862 5.969,43.942 ; 5.969,43.942 5.969,49.149 ; 5.969,49.149 5.969,100.33 ; 5.969,100.33 5.969,105.41 ; 5.969,105.41 11.811,105.41 13.335,103.886 ; 5.969,105.41 5.969,110.49 ; 5.969,110.49 5.969,115.697 ; 5.969,115.697 5.969,120.904
  Top Layer w0.762: F1.1@20.574,129.667 25.568,129.667 26.748,130.847 U1.1@26.748,131.922
  Top Layer w0.813: P8.3@10.414,128.524 15.367,128.524 16.51,129.667 F1.1@20.574,129.667 F1.1@20.574,124.587 v1(25.908,124.587) C1.1@28.448,124.587
  Bottom Layer w0.406: v1(23.876,35.011) 23.876,34.983 24.003,34.856 24.003,11.176 28.067,7.112 73.914,7.112 83.058,16.256 88.773,16.256 91.313,18.796 C20.1@93.931,18.796 94.488,18.239 C22.2@94.488,15.113 94.488,12.783 IC22.5@94.087,12.382 ; v1@23.876,35.038 23.768,35.146 v1(23.768,42.145) v1(23.768,49.384) 23.768,56.732 23.827,56.791 23.827,81.413 25.908,83.495 25.908,87.503 ; R49.1@23.876,87.503 25.908,87.503 ; R6.1@23.876,110.998 25.908,110.998 ; R3.1@23.876,116.713 25.781,116.713 25.908,116.586 ; R39.1@23.901,93.472 25.908,93.472 ; R27.1@23.901,99.314 25.908,99.314 ; R17.1@23.901,105.156 25.781,105.156 25.908,105.283 ; v1(25.908,124.587) 25.908,116.586 ; 25.908,87.503 25.908,93.472 ; 25.908,93.472 25.908,99.314 ; 25.908,99.314 25.908,105.283 ; 25.908,105.283 25.908,110.998 ; 25.908,110.998 25.908,116.586
+24_IN: F1.2 P8.5 | length 16.2
  Top Layer w0.813: P8.5@10.414,138.684 17.907,138.684 20.32,141.097 F1.2@20.574,141.097 F1.2@20.574,146.177
AN1: C14.2 P15.1 R82.1 | length 5.4
  Top Layer w0.406: C14.2@135.89,45.593 135.89,46.736 ; R82.1@135.89,47.879 135.89,46.736 ; P15.1@138.938,46.696 135.93,46.696 135.89,46.736
AN2: C16.2 P15.2 R85.1 | length 5.8
  Top Layer w0.406: C16.2@135.89,42.926 R85.1@135.89,40.64 135.89,40.724 136.187,41.021 138.343,41.021 P15.2@138.938,41.616
ENC1A: *1.3 D3.1 P14.8 R15.2 | length 19.9
  Top Layer w0.406: P14.8@10.414,46.482 10.664,46.482 13.204,43.942 15.494,43.942 18.796,47.244 R15.2@18.796,50.787 18.91,50.673 20.549,50.673 D3.1@21.285,49.936 22.022,50.673 23.482,50.673 *1.3@23.622,50.533
ENC1B: *2.3 D4.1 P14.7 R28.2 | length 17.1
  Top Layer w0.406: P14.7@10.414,41.402 10.664,41.402 13.204,38.862 15.748,38.862 18.686,41.8 18.686,42.562 19.05,42.926 20.93,42.926 D4.1@21.285,42.57 21.895,43.18 23.724,43.18 *2.3@23.851,43.307
ENC2A: *3.3 D5.1 P14.6 R41.2 | length 15.9
  Top Layer w0.406: P14.6@10.414,36.322 10.664,36.322 12.95,34.036 16.439,34.036 18.598,36.195 R41.2@18.796,36.195 20.549,36.195 D5.1@21.285,35.458 22.022,36.195 *3.3@23.851,36.195
ENC2B: *4.3 D6.1 P14.5 R52.2 | length 14.7
  Top Layer w0.406: P14.5@10.414,31.242 10.664,31.242 13.077,28.829 18.669,28.829 R52.2@18.796,28.956 21.057,28.956 D6.1@21.285,28.727 21.641,29.083 *4.3@23.851,29.083
GND: *1.4 *2.4 *3.4 *4.4 C1.2 C2.2 C3.1 C4.2 C5.1 C6.2 C7.1 C8.1 C9.1 C10.1 C11.1 C12.2 C13.1 C14.1 C15.1 C16.1 C17.2 C20.2 C21.2 C22.1 C23.1 C25.2 C28.1 C30.1 C31.2 C32.2 C33.2 C34.2 C35.2 C36.2 C37.1 C38.1 C39.1 D1.1 D2.1 DFPlayer.7 DFPlayer.10 IC1.1 IC2.5 IC3.3 IC4.3 IC5.3 IC6.3 IC7.3 IC8.4 IC9.3 IC10.3 IC11.3 IC12.3 IC13.8 IC14.3 IC15.3 IC16.3 IC17.3 IC18.3 IC19.3 IC20.3 IC21.3 IC22.3 IC23.3 LED1.2 LED20.2 P3.2 P4.3 P5.4 P6.5 P8.4 P14.1 P15.8 R44.1 R69.2 R70.2 R71.2 R72.2 R78.2 R80.2 R81.2 R87.2 R91.2 R92.2 R97.2 R98.2 R103.2 R104.2 R109.2 R110.2 R115.2 R116.2 R121.2 R122.2 R128.2 R130.1 S1.1 S2.1 S3.1 U1.3 U1.5 U2.3 U2.5 U3.3 U4.3 U5.3 U6.3 U7.3 U8.3 U9.3 U10.3 U11.3 U12.3 U13.3 U14.3 U15.3 U16.3 U17.2 U18.2 U19.2 U20.2 U21.2 U22.2 U23.2 U24.2 U25.15 U26.2 U27.2 U28.2 U29.2 U30.2 U31.2 U32.2 U33.2 U34.2 U35.2 U36.10 U36.19 U36.20 U36.27 U36.49 U36.74 U36.99 U37.9 | length 64
  Top Layer w0.203: C31.2@64.261,87.978 64.483,87.978 64.945,88.44 U36.19@67.504,88.44 ; U36.20@67.504,87.94 68.636,87.94 68.961,88.265 68.961,90.305 69.08,90.424 69.088,90.424 v1(69.215,90.551) ; U36.10@67.504,92.94 68.683,92.94 69.557,93.814 v1@69.557,94.646 ; C34.2@69.342,101.6 69.684,101.258 U36.99@69.684,99.12 ; U36.27@69.684,83.76 v1(69.685,85.56) ; v1(78.232,85.471) 78.314,85.471 78.441,85.344 80.363,85.344 80.701,85.006 80.701,83.777 U36.49@80.684,83.76 ; v1(80.645,93.726) 81.026,93.726 81.407,94.107 81.407,96.821 81.526,96.94 U36.74@82.864,96.94
  Top Layer w0.406: S3.1@49.276,49.53 S3.1@49.276,56.642 ; S1.1@57.125,49.53 S1.1@57.125,56.642 ; S2.1@64.77,49.53 S2.1@64.77,56.642
  Top Layer w0.813: v1(30.034,132.803) 30.066,132.771 30.066,130.63 U1.3@30.099,130.597 ; v1(64.897,140.843) 65.032,140.978 67.222,140.978 U2.3@67.341,141.097
  Bottom Layer w0.254: v1(69.215,90.551) C35.2@70.485,90.551 ; v1(69.596,94.615) C36.2@70.485,94.615 ; v1(69.685,85.56) 69.712,85.56 70.017,85.865 70.696,85.865 70.993,86.162 C33.2@70.993,86.36 ; v1(78.232,85.471) C25.2@78.232,86.106 ; C32.2@79.629,93.726 v1(80.645,93.726)
  Bottom Layer w0.406: C39.1@43.434,30.353 45.847,30.353 46.203,29.997 R44.1@46.203,27.305
  Bottom Layer w0.762: C3.1@29.871,134.217 29.953,134.135 29.953,132.884 v1(30.034,132.803) ; C5.1@63.881,140.716 63.945,140.779 64.833,140.779 v1(64.897,140.843)
HMI_RX: P15.3 U25.14 | length 26.6
  Bottom Layer w0.406: U25.14@120.262,21.461 120.262,24.377 121.793,25.908 128.06,25.908 138.688,36.536 P15.3@138.938,36.536
HMI_TX: P15.4 U25.13 | length 21.5
  Top Layer w0.406: U25.13@122.802,21.461 U25.13@122.802,21.711
  Bottom Layer w0.406: U25.13@122.802,21.461 122.802,23.107 124.079,24.384 131.616,24.384 138.688,31.456 P15.4@138.938,31.456
IN1: R2.2 U3.4 U36.1 | length 52.8
  Top Layer w0.203: R2.2@31.242,118.999 37.465,118.999 v1(38.735,117.729) ; v1(43.053,108.204) 53.848,97.409 67.473,97.409 U36.1@67.504,97.44
  Top Layer w0.406: U3.4@28.448,119.126 28.511,119.063 31.179,119.063 R2.2@31.242,118.999
  Bottom Layer w0.254: v1(38.735,117.729) 38.735,109.728 40.259,108.204 v1(43.053,108.204)
IN2: R5.2 U4.4 U36.2 | length 47.5
  Top Layer w0.203: R5.2@31.242,113.157 v1(33.147,113.157) ; v1(43.18,106.934) 53.174,96.94 U36.2@67.504,96.94
  Top Layer w0.406: U4.4@28.448,113.284 28.511,113.221 31.179,113.221 R5.2@31.242,113.157
  Bottom Layer w0.254: v1(33.147,113.157) 37.084,113.157 37.719,112.522 37.719,109.728 40.513,106.934 v1(43.18,106.934)
IN3: R14.2 U7.4 U36.3 | length 43.7
  Top Layer w0.203: R14.2@31.242,107.442 31.369,107.569 v1(33.02,107.569) ; v1(43.18,105.664) 52.404,96.44 U36.3@67.504,96.44
  Top Layer w0.406: U7.4@28.448,107.442 R14.2@31.242,107.442
  Bottom Layer w0.254: v1(33.02,107.569) 38.608,107.569 40.513,105.664 v1(43.18,105.664)
IN4: R25.2 U9.4 U36.4 | length 42
  Top Layer w0.203: R25.2@31.242,101.346 v1(33.02,101.346) ; v1(53.721,95.25) 55.753,95.25 56.443,95.94 U36.4@67.504,95.94
  Top Layer w0.406: U9.4@28.448,101.6 28.575,101.473 31.115,101.473 R25.2@31.242,101.346
  Bottom Layer w0.254: v1(33.02,101.346) 44.704,101.346 50.8,95.25 v1(53.721,95.25)
IN5: R34.2 U12.4 U36.5 | length 40.4
  Top Layer w0.203: R34.2@31.242,95.885 v1(33.02,95.885) ; v1(54.483,94.107) 56.388,94.107 57.721,95.44 U36.5@67.504,95.44
  Top Layer w0.406: U12.4@28.448,95.758 28.512,95.822 31.178,95.822 R34.2@31.242,95.885
  Bottom Layer w0.254: v1(33.02,95.885) 48.895,95.885 50.673,94.107 v1(54.483,94.107)
IN6: R45.2 U14.4 U36.7 | length 41
  Top Layer w0.203: R45.2@31.242,89.789 v1(33.02,89.789) ; v1(55.753,92.964) 57.15,92.964 58.626,94.44 U36.7@67.504,94.44
  Top Layer w0.406: U14.4@28.448,89.916 28.512,89.852 31.178,89.852 R45.2@31.242,89.789
  Bottom Layer w0.254: v1(33.02,89.789) 47.498,89.789 50.673,92.964 v1(55.753,92.964)
IN7: R58.2 U16.4 U36.8 | length 43.2
  Top Layer w0.203: R58.2@31.242,83.947 31.369,84.074 v1(33.02,84.074) ; v1(56.642,91.948) 58.42,91.948 60.412,93.94 U36.8@67.504,93.94
  Top Layer w0.406: U16.4@28.448,84.074 28.511,84.01 31.178,84.01 R58.2@31.242,83.947
  Bottom Layer w0.254: v1(33.02,84.074) 43.942,84.074 51.816,91.948 v1(56.642,91.948)
IN8: R13.2 U6.4 U36.9 | length 45.5
  Top Layer w0.203: R13.2@31.242,78.105 31.369,78.232 v1(33.02,78.232) ; v1(58.039,90.805) 59.309,90.805 61.944,93.44 U36.9@67.504,93.44
  Top Layer w0.406: U6.4@28.448,78.232 28.512,78.168 31.178,78.168 R13.2@31.242,78.105
  Bottom Layer w0.254: v1(33.02,78.232) 41.021,78.232 53.594,90.805 v1(58.039,90.805)
IN9: R26.2 U10.4 U36.15 | length 51.3
  Top Layer w0.203: R26.2@31.242,72.263 v1(33.02,72.263) ; v1(35.438,72.266) 35.433,72.271 35.433,80.137 44.577,89.281 61.087,89.281 62.246,90.44 U36.15@67.504,90.44
  Top Layer w0.406: U10.4@28.448,72.39 28.511,72.326 31.178,72.326 R26.2@31.242,72.263
  Bottom Layer w0.254: v1(33.02,72.263) 33.021,72.264 35.437,72.264 v1(35.438,72.266)
IN10: R38.2 U13.4 U36.16 | length 55.5
  Top Layer w0.203: R38.2@31.242,66.421 v1(32.893,66.421) ; v1(35.422,66.47) 35.471,66.47 37.211,68.21 37.211,79.629 45.72,88.138 61.214,88.138 63.016,89.94 U36.16@67.504,89.94
  Top Layer w0.406: U13.4@28.448,66.548 28.512,66.484 31.178,66.484 R38.2@31.242,66.421
  Bottom Layer w0.254: v1(32.893,66.421) 32.917,66.445 35.397,66.445 v1(35.422,66.47)
IN11: R50.2 U15.4 U36.17 | length 59.4
  Top Layer w0.203: R50.2@31.242,60.579 31.44,60.579 32.893,62.031 v1(32.893,62.103) ; v1(35.56,62.103) 38.989,65.532 38.989,79.629 46.482,87.122 61.595,87.122 63.913,89.44 U36.17@67.504,89.44
  Top Layer w0.406: U15.4@28.448,60.706 28.512,60.642 31.178,60.642 R50.2@31.242,60.579
  Bottom Layer w0.254: v1(32.893,62.103) v1(35.56,62.103)
IN_lidar1: R8.2 U5.4 U36.29 | length 88.5
  Top Layer w0.203: R8.2@32.004,25.273 U5.4@29.591,25.273 29.512,25.273 28.996,25.789 28.996,25.868 28.067,26.797 28.067,55.118 29.21,56.261 v1(32.893,56.261) ; v1(50.8,62.103) 70.684,81.987 U36.29@70.684,83.76
  Bottom Layer w0.254: v1(32.893,56.261) 34.163,56.261 40.005,62.103 v1(50.8,62.103)